# KiCad board washington-metro-pcb.kicad_pcb (continued)
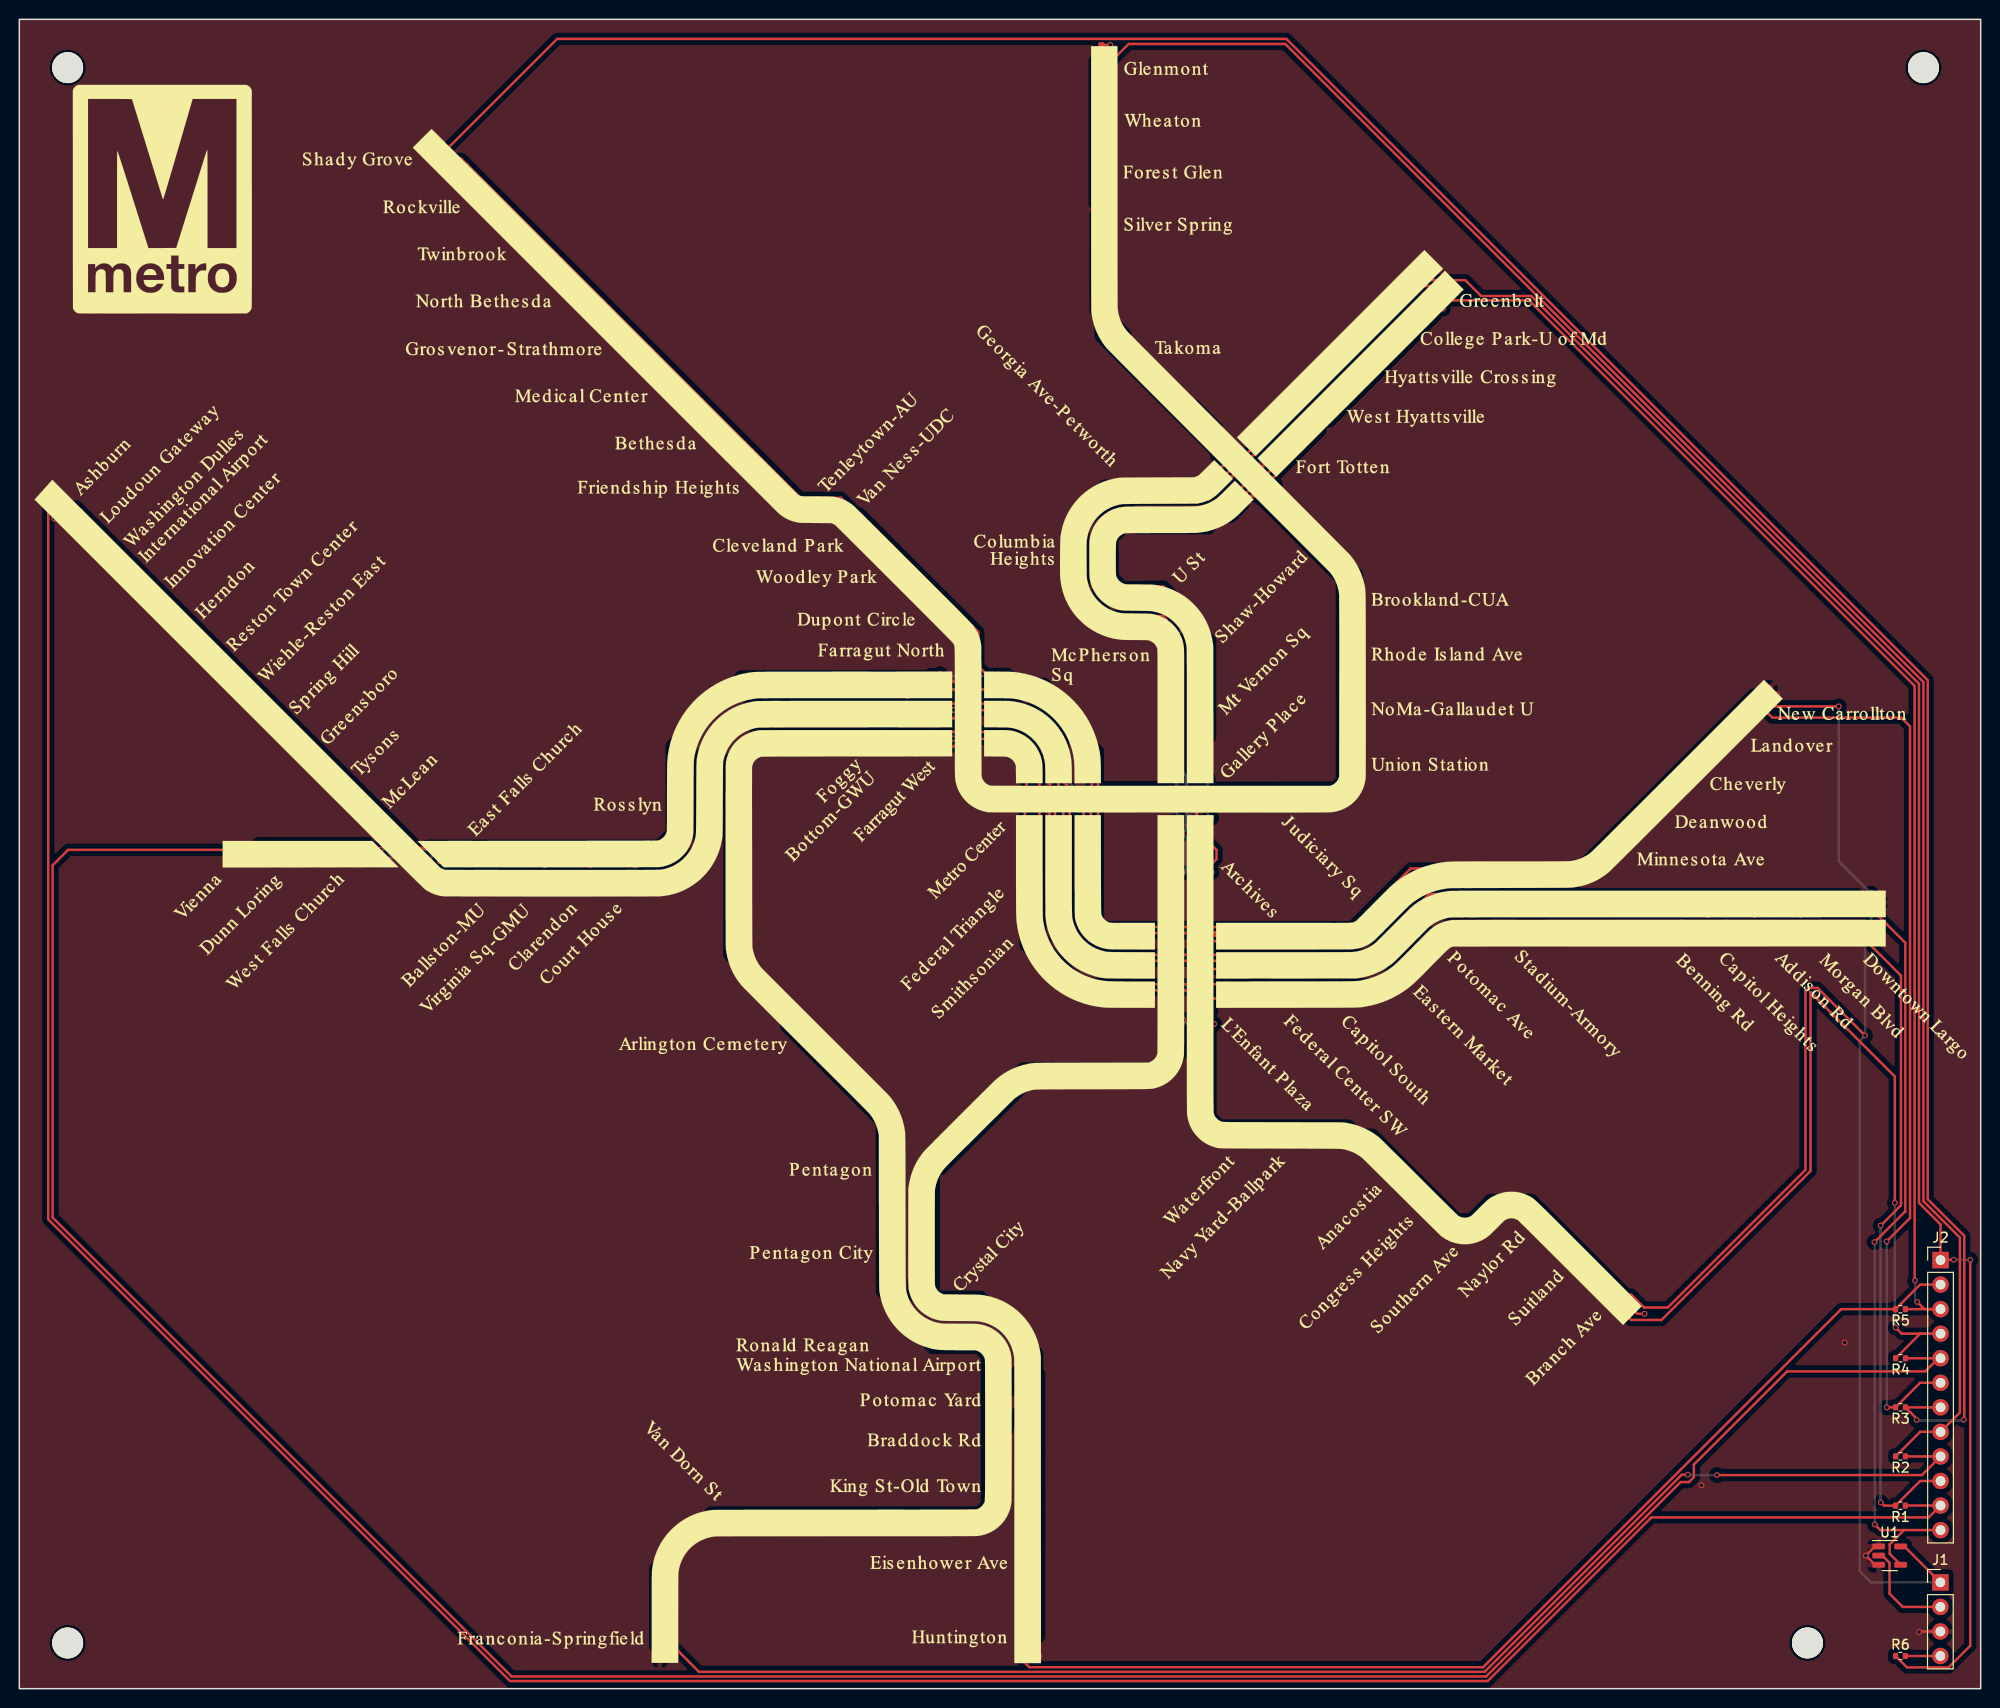
[diagram p0: board, top side]
## Routing (per net, layer and track width the routed paths; a pad name or vN(x,y) marks a point on that pad's centre or on a via; arc(x,y) is an arc through that point)
+5V: length 1746.1
  Top w0.25: LED63.2 111.88,169.05 111.94,169.11 111.25,168.42 111.25,161.95 ; 28.68,99.58 28.41,99.84 LED27.2 27.5,99.84 28.14,99.2 ; 28.68,99.58 32.01,96.24 ; 28.68,99.58 25.39,102.87 ; 176.03,99.48 171.87,95.32 ; 176.03,99.48 179.4,102.86 ; 176.03,99.48 175.74,99.19 LED91.2 175.78,98.24 176.48,98.94 ; 171.87,95.32 168.01,91.46 ; 171.87,95.32 171.82,95.27 LED92.2 171.86,94.34 172.55,95.03 ; LED147.2 119.59,83.82 119.58,83.81 ; 136.24,136.11 133.38,133.26 LED155.2 ; 136.24,136.11 140.43,140.3 ; 136.24,136.11 136.49,136.37 LED156.2 135.79,136.54 135.75,136.54 ; 122.57,104.2 122.61,104.24 LED128.2 123.22,104.63 123.22,98.5 122.55,97.83 122.59,97.88 LED127.2 ; 108.67,80.57 108.67,78.54 111.28,75.92 123.28,75.92 ; 108.67,80.57 LED12.2 107.99,78.88 108,78.87 ; 108.67,80.57 108.67,83.78 ; 100.09,21.72 100.86,20.94 100.74,21.07 100.74,21.91 ; 100.09,21.72 100.09,26.91 ; 100.09,21.72 100.09,19 99.33,18.23 77.94,18.23 ; 181.32,82.22 176.48,82.22 ; 181.32,82.22 180.89,81.79 LED3.2 181.91,81.43 181.91,81.43 ; 181.32,82.22 186.14,82.22 ; 65.58,138.45 70.28,133.75 ; 65.58,138.45 61.14,142.89 ; 65.58,138.45 65.31,138.72 LED85.2 ; 70.28,133.75 75.15,128.88 ; 70.28,133.75 70.19,133.84 LED84.2 ; 24.91,102.4 24.24,103.07 LED28.2 25.18,103.07 25.39,102.87 ; 111.25,161.95 111.25,162.12 111.86,162.75 111.86,163.65 111.93,163.71 ; 111.25,161.95 111.25,156.78 ; 55.95,84.58 55.69,84.32 LED21.2 56.67,83.93 56.69,83.94 ; 55.95,84.58 51.64,84.58 ; 55.95,84.58 61.1,84.58 ; 139.41,80.32 137.9,78.81 136.21,78.81 ; 139.41,80.32 140.99,81.9 140.99,81.91 141.97,82.89 ; 139.41,80.32 139.34,80.24 LED97.2 140.06,79.87 140.06,79.87 ; 12.31,115.95 11.92,116.33 LED32.2 10.96,116.33 11.67,115.62 ; 12.31,115.95 8.78,119.48 ; 12.31,115.95 15.76,112.5 ; 93.71,114.82 96.85,111.69 ; 93.71,114.82 93.64,114.89 LED78.2 ; 93.71,114.82 90.76,117.78 ; 96.85,111.69 96.87,111.69 99.22,109.33 99.22,107.41 ; 96.85,111.69 96.85,110.79 96.22,111.42 LED77.2 ; 153.14,84.85 152.6,84.31 LED95.2 153.26,84.31 C95.1 ; LED131.2 115.76,120.07 123.03,120.07 124.21,121.24 125.37,121.24 126.63,122.51 126.63,123.39 C132.1 ; LED131.2 114.7,120.62 113.09,119.01 113.09,117.59 ; LED131.2 114.38,120.62 114.22,120.77 ; 145.85,142.37 145.86,142.37 LED136.2 ; C148.1 120.23,88.5 v1(120.31,88.5) ; 141.97,82.89 143.06,82.89 142.5,82.33 LED96.2 ; 141.97,82.89 143.95,84.86 153.31,84.86 ; 116.35,110.97 118.31,110.97 118.66,110.62 118.66,110.11 119.78,109 ; 116.35,110.97 112.77,110.97 110.12,113.61 110.12,115.43 110.06,115.49 110.06,117.62 ; 116.35,110.97 117.07,110.25 116.9,110.42 LED151.2 ; 125.5,125.44 123.13,123.08 114.67,123.08 114.66,123.08 ; 125.5,125.44 126.74,126.68 ; 125.5,125.44 124.55,125.44 124.63,125.44 LED154.2 ; 40.95,87.3 37.87,90.39 37.87,90.39 ; 40.95,87.3 43.78,84.48 46.03,84.48 ; 40.95,87.3 41.28,86.98 41.62,86.98 ; 94.61,98.35 94.61,98.34 93.56,98.34 94.2,98.99 ; 100.54,35.4 100.81,35.13 LED57.2 100.09,33.59 ; 100.09,26.91 100.77,26.23 100.88,26.23 100.88,27.13 100.78,27.22 ; 100.09,26.91 100.09,30.98 ; 110.91,83.95 110.91,84.97 111.6,85.66 111.6,85.87 ; 137.59,114.15 137.59,113.24 137.56,113.2 136.83,113.93 136.83,114.05 ; 73.45,92.8 73.45,75.95 79.33,70.07 79.33,68.53 82.01,65.86 ; 73.45,92.8 LED52.2 74.11,93.21 74.1,93.22 ; 73.45,92.8 73.45,96.07 76.38,98.99 89.14,98.99 ; 90.22,118.31 90.76,117.78 ; 90.22,118.31 90.16,118.37 LED79.2 ; 90.22,118.31 87.91,120.62 ; 90.76,117.78 89.9,117.78 89.85,117.72 ; 109.48,116.05 109.52,116.09 LED152.2 110.06,117.62 ; 103.92,101.28 104.51,100.69 ; 103.92,101.28 104.83,101.28 107.96,98.15 107.96,93.91 108.67,93.2 108.67,90.72 ; 103.92,101.28 LED15.2 103.77,101.28 103.12,101.92 94.13,101.92 ; 108.67,83.78 108.67,90.72 ; 108.67,83.78 108.67,84.25 LED13.2 108,84.91 108,83.91 ; 108.67,90.72 108.67,90.94 LED14.2 108.02,91.59 108.02,89.67 ; 111.89,158.34 111.89,158.34 LED65.2 111.83,157.38 111.8,157.4 111.25,156.84 111.25,156.78 ; 137.73,108.51 137.6,108.38 LED70.2 136.83,108.32 136.83,108.67 ; 126.74,126.68 126.98,126.93 v1(127.44,126.93) 127.23,127.14 127.23,127.17 ; 126.74,126.68 127.23,127.17 ; LED133.2 134.63,130.21 128.95,124.52 ; LED133.2 134.63,131.12 133.91,130.4 ; LED133.2 135.56,131.13 138.49,134.06 ; 136.83,102.64 136.83,96.97 ; 136.83,102.64 LED71.2 137.59,102.75 137.71,102.87 ; 136.83,102.64 136.83,108.67 ; 136.83,96.97 136.83,93.95 136.13,93.25 130.53,93.25 130.28,92.99 ; 136.83,96.97 LED72.2 137.57,97.08 137.71,97.22 ; 22.33,105.93 19.17,109.08 ; 22.33,105.93 21.92,106.33 LED29.2 20.9,106.33 21.6,105.63 ; 22.33,105.93 25.39,102.87 ; 19.17,109.08 15.76,112.5 ; 19.17,109.08 18.74,109.51 LED30.2 17.68,109.51 18.37,108.82 ; v1(188.24,101.64) 181.6,101.64 180.39,102.85 C90.1 ; 32.01,96.24 31.66,96.59 LED26.2 30.65,96.59 31.33,95.91 ; 32.01,96.24 35.24,93.01 ; LED108.2 65.03,86.98 65.28,87.23 ; 114.19,123.73 114.28,123.63 LED153.2 114.66,123.08 ; 61.1,84.58 65.41,84.58 ; 61.1,84.58 61.02,84.58 LED20.2 61.35,83.93 61.36,83.92 ; 65.41,84.58 65.73,84.26 ; 65.41,84.58 67.94,84.58 70.37,87.01 70.37,92.55 ; 79.25,124.79 79.25,123.78 78.67,124.35 LED82.2 ; 79.25,124.79 75.87,128.16 ; 79.25,124.79 79.25,124.78 80.81,123.22 82.47,123.22 ; 111.51,78.8 111.05,79.26 LED101.2 ; 111.51,78.8 111.6,78.89 111.6,85.87 ; 111.51,78.8 111.52,78.82 123.29,78.82 123.3,78.81 ; 102.78,98.24 102.03,98.99 94.2,98.99 ; 102.78,98.24 103.77,98.24 105.55,96.47 105.55,90.94 ; 102.78,98.24 103.92,97.1 104,97.1 ; 104.94,83.89 104.94,83.9 LED47.2 105.58,84.29 ; 121.75,130.05 122.72,130.05 LED68.2 ; 121.75,130.05 112.88,138.92 ; 121.75,130.05 121.88,130.05 122.64,130.81 ; 121.75,130.05 123.98,127.82 v1(123.98,127.65) ; 46.37,157.66 50.67,153.36 ; 46.37,157.66 46.36,157.68 45.23,157.68 45.22,157.66 ; 46.37,157.66 45.73,158.3 LED89.2 ; 50.67,153.36 55.61,148.42 ; 50.67,153.36 50.63,153.4 LED88.2 ; 127.38,123.4 126.63,123.4 127.83,124.6 LED132.2 ; 127.38,123.4 127.83,123.4 128.95,124.52 ; 127.38,123.4 128.29,123.4 v1(128.48,123.21) 128.48,123.08 136.83,114.73 136.83,114.05 ; 162.83,44.22 162.45,44.6 LED117.2 161.54,44.6 162.24,43.9 ; 162.83,44.22 158.45,48.6 ; 162.83,44.22 166.29,40.77 ; 129.03,57.57 128.92,57.67 128,57.67 128.6,58.27 ; 119.6,68.04 119.57,68.07 LED146.2 120.25,68.49 ; 151.32,48.78 150.71,48.17 LED119.2 150.33,48.7 ; 50.18,152.73 50.19,152.75 51.29,152.75 ; 143.67,53.66 147.31,50.03 ; 143.67,53.66 LED121.2 142.82,53.6 143.52,52.9 ; 143.67,53.66 140.01,57.32 138.44,57.32 137.49,58.27 134.03,58.27 ; 147.31,50.03 146.92,50.41 LED120.2 146.07,50.3 146.77,49.6 ; 147.31,50.03 148.77,48.56 150.19,48.56 150.33,48.7 ; 120.25,68.49 120.25,65.76 118.21,63.72 105.3,63.72 95.35,53.77 LED145.2 94.61,52.85 ; 120.25,68.49 120.42,68.67 v1(120.42,69.21) ; 105.55,90.94 105.55,88.86 ; 105.55,90.94 LED48.2 ; 105.55,88.86 105.55,84.33 105.58,84.29 ; 105.55,88.86 105.55,89.04 104.92,89.66 104.9,89.66 ; 51.64,84.58 51.53,84.48 46.03,84.48 ; 51.64,84.58 LED22.2 52,83.93 ; 89.38,101.27 LED17.2 89.03,101.92 ; 153.33,84.86 161.41,84.86 163.99,87.44 ; 129.43,72.87 129.41,72.89 123.28,72.89 ; 129.43,72.87 128.78,72.23 129.86,72.23 129.87,72.23 ; 129.43,72.87 135.95,72.87 136.02,72.8 ; LED158.2 143.74,144.51 143.58,144.51 ; LED158.2 144.37,144.25 140.43,140.3 ; LED158.2 147.88,145.14 v1(148.6,144.42) ; 190.91,79.43 190.52,79.04 LED35.2 ; 190.91,79.43 191.56,78.79 ; 190.91,79.43 186.45,79.43 ; 105.52,28.25 105.52,24.39 ; 105.52,28.25 105.52,32.58 ; 105.52,28.25 105.52,28.41 LED141.2 104.87,29.06 104.87,28.2 ; 105.52,24.39 105.52,19.04 ; 105.52,24.39 105.52,24.57 104.78,25.31 104.79,25.3 104.79,24.29 ; 74.71,128.22 74.72,128.24 75.8,128.24 75.87,128.16 ; LED155.2 132.4,133.26 131.72,132.58 ; LED155.2 132.51,132.46 127.23,127.17 ; 37.87,90.39 37.59,90.11 LED24.2 ; 37.87,90.39 35.24,93.01 ; 37.87,90.39 37.87,89.44 ; 168.01,91.46 163.99,87.44 ; 168.01,91.46 167.89,91.34 LED93.2 167.89,90.43 168.62,91.16 ; 105.58,80.49 105.62,80.45 105.62,77.13 109.86,72.89 123.28,72.89 ; 105.58,80.49 LED46.2 104.97,78.83 104.98,78.81 ; 105.58,80.49 105.58,84.29 ; 75.87,128.16 75.15,128.88 ; 158.22,47.87 157.49,48.6 LED118.2 158.45,48.6 ; 94.61,45.71 94.61,40.62 94.42,40.43 ; 94.61,45.71 94.61,45.04 94.37,44.79 93.84,44.79 93.79,44.74 93.79,43.65 ; 94.61,45.71 94.61,52.85 ; 87.34,121.2 86.9,121.63 86.61,121.63 85.02,123.22 82.47,123.22 ; 87.34,121.2 87.91,120.62 ; 87.34,121.2 87.25,121.28 LED80.2 ; 100.09,33.59 100.09,30.98 ; 100.09,33.59 100.09,34.44 99.28,35.26 97.92,35.26 ; 100.09,30.98 100.09,30.88 LED58.2 100.88,31.14 100.9,31.16 ; 89.25,54.8 89.87,55.42 89.86,55.42 89.86,54.33 ; 89.25,54.8 89.25,46.25 ; 89.25,54.8 89.22,54.82 89.22,58.64 82.01,65.86 ; 120.15,105.83 LED150.2 119.59,104.36 119.52,104.28 ; 120.15,105.83 120.15,108.63 119.78,109 ; 120.15,105.83 120.16,105.81 120.16,98.42 ; 134.28,57.63 134.18,57.72 LED122.2 133.8,58.27 134.03,58.27 ; 104.71,32.41 104.71,33.39 LED142.2 105.52,32.58 ; C147.1 120.18,84.41 v1(120.34,84.41) ; 94.25,114.29 93.36,114.29 93.35,114.27 ; 67.48,92.33 67.48,97.55 74.69,104.75 87.82,104.75 ; 67.48,92.33 67.48,92.51 68.14,93.16 68.03,93.06 LED107.2 ; 67.48,92.33 67.48,88.52 66.19,87.23 65.28,87.23 ; 55.13,147.89 55.14,147.91 56.13,147.91 56.26,147.78 ; 129.94,78.03 129.8,78.16 128.88,78.16 129.53,78.81 ; 153.16,82.22 145.88,82.22 143.9,80.24 143.9,80.17 ; 153.16,82.22 171.81,82.22 ; 153.16,82.22 153.01,82.22 LED6.2 153.34,81.59 153.37,81.56 ; 123.25,85.48 123.5,85.48 123.87,85.85 123.87,86.77 122.69,87.95 C126.1 ; 123.25,85.48 123.25,84.56 v1(123.34,84.48) ; 123.25,85.48 122.59,84.82 C125.1 ; U1.5 195.03,14.72 J1.1 ; 136.83,114.05 136.83,108.67 ; 60.5,143.54 60.41,143.62 LED86.2 ; 60.5,143.54 56.26,147.78 ; 60.5,143.54 61.14,142.89 ; 179.4,102.86 179.66,102.6 LED90.2 ; 179.4,102.86 180.39,102.86 ; 123.3,78.81 129.53,78.81 ; 123.3,78.81 LED100.2 123.75,78.19 123.84,78.09 ; 136.02,72.8 136.1,72.89 140.75,72.89 143.21,75.35 143.27,75.35 ; 136.02,72.8 LED43.2 136.54,72.16 136.54,72.16 ; 35.24,93.01 34.9,93.35 LED25.2 33.95,93.35 34.6,92.7 ; 136.02,75.92 138.1,75.92 138.11,75.92 139.59,75.92 141.16,77.49 141.22,77.49 ; 136.02,75.92 135.39,75.29 LED9.2 136.41,75.27 ; 136.02,75.92 129.41,75.92 ; 158.45,48.6 156.48,50.57 152.2,50.57 150.33,48.7 ; 94.42,40.43 94.54,40.54 99.45,40.54 105.32,34.67 105.32,32.78 105.52,32.58 ; 94.42,40.43 94.93,39.92 LED143.2 ; LED18.2 71.02,93.2 71.04,93.22 70.37,92.55 ; 55.61,148.42 55.51,148.52 LED87.2 ; 55.61,148.42 56.26,147.78 ; 119.61,87.88 119.56,87.93 LED148.2 ; 78.03,17.59 77.05,17.59 LED61.2 77.69,18.23 77.94,18.23 ; 112.88,138.92 111.88,139.92 111.88,142.09 111.33,142.63 111.33,152.49 111.88,153.04 111.25,153.67 ; 112.88,138.92 112.98,138.82 LED67.2 113.33,139.32 113.33,139.67 ; 123.09,93.08 123.24,93.23 130.04,93.23 130.28,92.99 ; 123.09,93.08 122.88,93.29 114.44,93.29 114.4,93.24 ; 123.09,93.08 LED74.2 123.46,92.55 123.58,92.43 ; 111.25,153.67 111.25,156.78 ; 111.25,153.67 111.92,153 111.94,153 111.89,152.94 LED66.2 ; 75.15,128.88 75.09,128.94 LED83.2 ; 176.48,82.22 171.81,82.22 ; 176.48,82.22 176.07,81.81 LED4.2 177.12,81.43 ; 143.27,75.35 143.27,75.4 146.05,78.18 146.99,78.18 LED41.2 147.25,78.45 ; 143.27,75.35 LED42.2 143.46,74.63 144.14,75.31 ; 121.63,109.99 123.22,108.4 123.22,104.22 ; 121.63,109.99 119.24,112.38 119.24,113.18 118.38,114.03 116.52,114.03 116.47,113.98 ; 121.63,109.99 121.61,110.01 v1(121.61,110.76) ; 129.53,78.81 136.21,78.81 ; 181.9,78.79 LED37.2 180.97,78.79 181.61,79.43 ; 138.49,134.06 142.48,138.05 ; 138.49,134.06 138.61,134.18 LED134.2 137.92,134.43 137.92,134.4 ; 61.38,87.23 56.35,87.23 ; 61.38,87.23 65.28,87.23 ; 61.38,87.23 61.06,87.23 LED109.2 61.31,86.57 61.44,86.45 ; 56.35,87.23 51.99,87.23 ; 56.35,87.23 56.32,87.23 LED110.2 56.59,86.57 56.7,86.46 ; 8.78,119.48 5.93,122.32 LED34.2 4.88,122.32 5.57,121.63 ; 8.78,119.48 8.77,119.47 LED33.2 7.85,119.47 8.51,118.81 ; 46.03,84.48 45.05,83.5 45.91,83.5 46.01,83.41 ; 123.28,72.89 LED45.2 ; 113.09,117.59 113.12,117.55 113.12,115.03 114.18,113.98 116.47,113.98 ; 113.09,117.59 112.83,117.33 112.54,117.33 LED130.2 112.54,116.06 112.48,116 ; 123.24,68.39 LED124.2 122.42,69.09 122.42,68 ; 123.24,68.39 123.24,59.22 124.19,58.27 128.6,58.27 ; 123.24,68.39 123.61,68.76 v1(123.61,68.78) ; 171.81,82.22 171.28,81.69 LED5.2 172.34,81.45 ; 123.28,75.92 122.66,75.3 124.35,75.3 124.43,75.23 ; 123.28,75.92 129.41,75.92 ; 129.41,75.92 LED10.2 129.81,75.28 ; 97.92,35.26 94.47,35.26 90.59,39.14 90.59,39.79 89.25,41.13 89.25,46.25 ; 97.92,35.26 97.17,36.01 97.17,36.03 96.19,36.03 LED56.2 ; 51.99,87.23 51.71,87.23 LED111.2 51.97,86.58 52.11,86.45 ; 51.99,87.23 45.94,87.23 ; 114.66,123.08 112.72,123.08 110.06,120.42 110.06,117.62 ; 94.13,101.92 89.03,101.92 ; 94.13,101.92 93.53,101.32 LED16.2 94.53,101.27 94.55,101.28 ; 89.03,101.92 75.81,101.92 70.37,96.49 70.37,92.55 ; 148.31,78.62 147.43,78.62 147.25,78.45 ; 86.85,120.58 86.89,120.62 87.91,120.62 ; LED19.2 65.37,84.26 65.73,84.26 ; 89.25,46.25 89.86,45.63 89.86,46.81 89.89,46.83 ; 31.37,86.67 31.24,86.79 LED114.2 30.39,86.96 30.92,87.49 ; 89.14,98.99 88.38,98.22 89.42,98.22 89.42,98.23 ; 89.14,98.99 94.2,98.99 ; 172.12,79.43 171.91,79.43 LED39.2 172.26,78.79 ; 172.12,79.43 176.68,79.43 ; 172.12,79.43 153.05,79.43 ; 95.29,54.62 94.61,53.94 94.61,52.85 ; 142.48,138.05 142.59,138.16 LED135.2 142.5,139.08 141.85,138.43 ; 142.48,138.05 146.54,142.11 LED136.2 ; 30.92,87.49 24.76,87.49 LED115.2 24.95,86.79 25.06,86.68 ; 30.92,87.49 36.02,87.49 36.73,86.78 37.35,86.78 v1(37.38,86.81) ; LED76.2 99.22,107.28 99.22,107.41 ; 163.99,87.44 LED94.2 164.01,86.48 164.73,87.2 ; v1(191.67,77.92) 191.67,78.68 C35.1 ; LED149.2 119.59,97.85 119.59,97.84 120.16,98.42 ; 41.62,86.98 40.29,86.98 40.24,86.93 ; 41.62,86.98 v1(42.14,86.98) 42.39,87.23 45.94,87.23 ; 60.04,143 60.05,143.02 61.02,143.02 61.14,142.89 ; 65.73,84.26 66.06,83.94 ; 45.94,87.23 45.68,87.23 LED112.2 45.03,86.58 46,86.58 ; LED116.2 165.6,40.59 166.29,39.9 166.29,40.77 ; 143.9,80.17 LED7.2 145.3,80.17 145.76,80.63 ; 143.9,80.17 143.83,80.17 141.22,77.56 141.22,77.49 ; 69.82,133.3 69.83,133.32 70.72,133.32 ; 82.01,65.86 LED53.2 82.01,66.92 81.37,67.56 ; 105.52,11.75 105.52,11.94 LED138.2 104.72,11.72 104.78,11.66 ; 105.52,11.75 105.52,19.04 ; 105.52,11.75 105.52,5.43 104.96,4.87 LED137.2 104.74,3.93 104.75,3.91 ; 105.52,19.04 105.52,19.31 104.77,20.06 104.8,20.03 104.8,18.99 ; 141.95,77.3 141.28,76.63 LED8.2 141.14,77.41 141.22,77.49 ; 139.73,140.52 139.78,140.52 LED157.2 140.48,140.36 140.43,140.3 ; 176.68,79.43 181.61,79.43 ; 176.68,79.43 176.08,78.83 LED38.2 177.09,78.79 ; 110.86,89.59 110.86,91.59 LED103.2 111.6,91.06 ; 153.05,79.43 148.24,79.43 147.25,78.45 ; 153.05,79.43 153,79.43 LED40.2 153.38,78.84 153.44,78.79 ; 130.28,92.99 130.12,92.99 LED73.2 130.46,92.41 130.53,92.34 ; LED125.2 122.59,83.77 122.59,83.76 ; 94.07,104.78 94.25,104.97 v1(95.23,104.97) ; 94.07,104.78 94.66,104.2 94.62,104.23 LED105.2 ; 94.07,104.78 87.85,104.78 87.82,104.75 ; 15.76,112.5 15.54,112.71 LED31.2 14.51,112.71 15.21,112.01 ; v1(190.96,67.59) 186.04,72.51 185.13,72.51 184.8,72.17 184.8,53.68 170.55,39.44 168.1,39.44 166.77,40.77 166.29,40.77 ; LED126.2 122.68,88.93 122.68,87.95 ; 99.22,106.21 98.74,105.73 ; 99.22,106.21 99.22,107.41 ; 99.22,106.21 99.22,105.79 v1(100.22,104.79) 100.44,105 102.22,105 102.77,104.45 103.67,104.45 104.17,103.96 104.18,103.98 106,103.98 106.52,103.46 106.52,102.08 111.6,97 111.6,93.39 ; 186.45,79.43 186.34,79.43 LED36.2 186.72,78.79 ; 186.45,79.43 181.61,79.43 ; 124.38,72.25 124.38,72.27 125,72.89 ; 128.6,58.27 134.03,58.27 ; v1(120.17,95.04) 120.25,95.11 120.25,98.34 120.16,98.42 ; 64.99,138.05 65.99,138.05 ; 65.28,87.23 66.06,86.44 ; v1(119.44,108.67) 119.45,108.67 119.78,109 ; 186.14,82.22 185.67,81.75 LED2.2 186.66,81.46 ; 186.14,82.22 190.12,82.22 190.44,81.9 LED1.2 191.55,81.38 ; 114.4,93.24 LED75.2 114.54,92.56 114.69,92.41 ; 114.4,93.24 114.35,93.28 111.7,93.28 111.6,93.39 ; 116.04,113.43 117.02,113.43 117.06,113.39 116.47,113.98 ; 77.94,18.23 71.61,18.23 65.78,12.41 65.78,4.38 66.26,3.91 66.26,4.8 LED62.2 ; v1(129.89,124.6) 129.02,124.6 128.95,124.52 ; 111.6,93.39 111.6,91.06 ; 111.6,91.06 111.6,85.87 ; 136.21,78.81 136.07,78.81 LED98.2 136.31,78.11 136.36,78.16 ; v1(147.29,142.8) 146.79,142.8 LED136.2 ; 87.82,104.75 87.92,104.75 LED106.2 88.6,104.08 89.53,104.08 ; 82.69,122.54 81.74,122.54 LED81.2 82.42,123.22 82.47,123.22 ; C1.1 v1(191.58,82.27)
  Bottom w0.25: v1(123.98,127.65) 124.04,127.65 v1(128.48,123.21) ; v1(37.38,86.81) 41.97,86.81 v1(42.14,86.98) ; v1(121.61,110.76) 121.53,110.76 v1(119.44,108.67) ; v1(100.22,104.79) 95.41,104.79 v1(95.23,104.97) ; v1(120.42,69.21) 120.85,68.78 v1(123.61,68.78) ; v1(147.29,142.8) 148.6,144.11 v1(148.6,144.42) ; v1(123.34,84.48) 120.41,84.48 v1(120.34,84.41) 120.77,84.84 120.77,88.04 v1(120.31,88.5) 120.75,88.94 120.75,94.45 v1(120.17,95.04) ; v1(188.24,101.64) 188.24,85.61 v1(191.58,82.27) 191.58,78.01 v1(191.67,77.92) 190.96,77.21 v1(190.96,67.59) 190.41,67.04 190.41,12.14 191.55,11 J1.1 ; v1(129.89,124.6) 127.56,126.93 v1(127.44,126.93)
GND: length 348.3
  Top w0.25: v1(155.44,48.86) 155.7,48.6 LED118.3 ; LED108.3 64.17,85.7 v1(63.69,85.22) ; v1(104.17,27.69) 104.62,27.23 104.87,27.23 ; 110.86,88.62 110.86,87.58 v1(110.85,87.57) ; 62.41,86.45 63.17,86.45 v1(63.32,86.61) ; 154.41,78.79 155.56,78.79 v1(155.61,78.74) ; v1(34.9,85.93) 34.91,85.93 LED113.3 ; v1(39.3,88.02) 38.56,88.76 38.55,88.76 ; 141.17,137.75 141.17,137.74 v1(140.48,137.05) ; v1(145.93,144.42) 146.1,144.25 LED136.3 ; v1(91.81,99.8) 92.06,99.8 LED16.3 ; 57.66,83.94 58.44,83.94 v1(58.47,83.91) ; LED5.3 v1(169.69,80.6) ; 106.59,91.9 106.59,93.84 v1(106.82,94.07) ; 106.59,91.9 LED14.3 ; 106.59,91.9 106.59,85.22 ; U1.3 191.98,12.82 v1(191.03,13.77) 191.98,14.72 U1.1 ; v1(114.08,112.71) 114.21,112.58 LED129.3 ; 115.22,109.57 114.21,109.57 v1(114.1,109.68) ; v1(52.39,149.16) 53.03,148.52 LED87.3 ; LED60.3 101.72,19.17 v1(101.69,19.15) ; 122.68,86.98 122.68,86.67 v1(123.24,86.11) ; v1(25.16,100) 25.32,99.84 LED27.3 ; 154.34,81.56 155.37,81.56 v1(155.4,81.59) ; v1(108.83,118.78) 108.67,118.61 LED152.3 ; 104.94,82.92 104.94,81.96 v1(104.88,81.9) ; v1(136.51,139.34) 136.49,139.32 LED156.3 ; v1(98.26,109.41) 97.56,110.11 97.53,110.11 ; LED50.3 92.7,96.78 v1(92.73,96.76) ; 104.11,80.72 104.1,80.72 v1(103.56,81.27) ; 95.58,98.35 96.59,98.35 v1(96.63,98.31) ; 138.42,94.26 LED72.3 138.42,94.46 v1(138.39,94.43) ; v1(29.46,97.9) 28.85,98.52 28.82,98.52 ; v1(32.75,94.62) 32.14,95.23 32.01,95.23 ; v1(138.62,137.15) 138.61,137.14 LED134.3 ; 106.59,85.22 LED13.3 ; 106.59,85.22 106.59,80.2 LED12.3 ; v1(47.4,154.14) 48.14,153.4 LED88.3 ; 115.66,92.41 116.59,92.41 v1(116.64,92.36) ; v1(142.47,72.95) 142.95,73.43 LED42.3 ; 112.48,115.03 112.48,114.53 v1(112.93,114.08) ; LED33.3 5.67,119.47 v1(5.62,119.52) ; v1(144.81,51.64) 144.23,52.22 144.2,52.22 ; v1(133.54,74.42) LED9.3 ; 89.87,56.39 89.87,57.36 v1(89.92,57.41) ; 149.28,78.62 150.37,78.62 v1(150.38,78.61) ; LED109.3 59.56,85.69 v1(59.07,85.21) ; v1(41.67,85.33) 40.93,86.07 40.93,86.25 ; LED146.3 118.5,70.02 v1(118.08,69.6) ; v1(134.57,133.21) 134.63,133.15 LED133.3 ; v1(12.27,112.88) 12.45,112.71 LED31.3 ; v1(67.05,3.46) 66.53,2.94 66.26,2.94 ; v1(131.68,75.21) 131.61,75.28 130.78,75.28 ; v1(118.89,107.03) 118.75,106.88 LED150.3 118.75,107.07 ; 68.14,94.13 68.14,95.18 v1(68.15,95.19) ; v1(83.99,66.05) 83.21,66.83 LED53.3 ; v1(76.58,124.96) 77.19,124.35 LED82.3 ; v1(174.22,81.4) 174.17,81.45 173.31,81.45 ; LED96.3 142.19,80.16 v1(142.22,80.13) ; v1(179.63,100.1) 179.66,100.13 LED90.3 ; LED85.3 62.8,138.72 v1(62.09,139.43) ; J1.3 196.6,5.92 v1(196.54,5.86) ; LED130.3 111.69,118.6 v1(111.84,118.75) ; 90.39,98.23 v1(91.39,98.23) ; v1(109.42,92.95) 109.83,92.54 LED103.3 ; 46.98,83.41 47.83,83.41 v1(47.84,83.42) ; v1(63.33,82.46) 63.57,82.46 LED19.3 ; LED98.3 133.63,77.26 v1(133.56,77.34) ; v1(103.27,26.79) 103.89,26.16 LED140.3 ; v1(136.46,133) 137.18,133.72 137.24,133.72 ; v1(119.6,81.78) 119.58,81.8 119.58,82.84 ; LED34.3 3.66,121.11 v1(3.62,121.07) ; 119.59,96.87 119.59,95.83 v1(119.62,95.8) ; LED41.3 146.99,76.27 v1(146.79,76.06) ; LED39.3 169.7,77.94 v1(169.69,77.93) ; LED43.3 133.63,71.31 v1(133.63,71.31) ; 74.1,94.19 74.1,94.81 v1(74.34,95.04) ; 173.23,95.71 173.25,95.71 v1(173.94,96.4) ; 133.23,129.72 133.19,129.72 v1(132.39,128.92) ; v1(16.63,110.74) 16.04,111.33 15.89,111.33 ; LED86.3 57.89,143.62 v1(57.18,144.34) ; v1(100.93,100.55) 101.05,100.43 LED15.3 ; 131.04,131.9 131.04,131.88 v1(130.26,131.1) ; LED115.3 22.28,85.94 v1(22.21,86.02) ; 124.55,92.43 125.44,92.43 v1(125.49,92.38) ; 112.19,78.12 113.32,78.12 v1(113.33,78.11) ; 57.67,86.46 58.56,86.46 v1(58.57,86.46) ; v1(102.32,24.71) 101.72,25.3 LED59.3 ; LED80.3 84.03,121.28 v1(83.97,121.22) ; v1(125.88,78.08) 125.87,78.09 124.81,78.09 ; v1(112.97,166.49) 112.72,166.73 LED63.3 ; 151.56,77.99 151.5,77.99 v1(150.87,77.36) ; 95.52,101.28 96.66,101.28 v1(96.67,101.27) ; v1(152.69,49.95) 152.21,49.46 152,49.46 ; v1(138.48,111.58) 138.41,111.65 LED69.3 ; v1(131.97,78.01) 131.95,78.03 130.91,78.03 ; 105.19,100.01 105.22,100.01 v1(106.09,99.14) ; v1(174.08,78.64) 173.93,78.79 173.24,78.79 ; v1(119.47,66.02) 119.6,66.15 119.6,67.07 ; LED153.3 117.01,124.48 v1(117.02,124.47) ; 128.03,77.31 127.12,77.31 v1(127.07,77.36) ; LED116.3 164.22,40.59 v1(163.59,41.22) ; 65.66,137.35 65.66,137.28 v1(66.41,136.53) ; v1(86.66,103.57) 86.88,103.35 LED106.3 ; v1(138.43,100.27) 138.44,100.27 LED71.3 ; v1(137.7,99.24) 137.71,99.23 137.71,98.19 ; 100.78,28.19 100.91,28.19 v1(101.58,27.52) ; v1(141.12,54.47) 141.62,53.98 LED121.3 ; 79.93,123.1 79.93,122.64 v1(79.9,122.6) ; v1(8.76,116.41) 8.83,116.33 LED32.3 ; LED144.3 93.01,46.48 v1(93.22,46.69) ; 70.5,132.62 v1(71.25,131.87) ; v1(112.31,91.15) 112.87,91.71 LED75.3 ; v1(177.82,100.25) 177.19,99.62 177.16,99.62 ; v1(132.66,135.36) 132.51,135.21 LED155.3 ; LED81.3 79.97,121.53 v1(79.8,121.36) ; LED132.3 127.97,125.82 v1(129.06,126.91) ; LED142.3 103.81,34.59 v1(103.3,35.11) ; 109.48,115.08 109.48,114.02 v1(109.41,113.95) ; LED76.3 97.79,107.58 v1(97.08,108.28) ; v1(126.48,75.29) 126.42,75.23 125.4,75.23 ; LED51.3 86.75,97.37 v1(86.75,97.37) ; 99.86,36.08 99.8,36.03 98.14,36.03 98.76,36.03 v1(98.98,36.25) ; 12.35,114.94 12.43,114.94 v1(13.12,114.25) ; LED4.3 175.22,80.57 v1(174.73,80.07) ; v1(33.39,86.65) 33.37,86.67 32.34,86.67 ; v1(119.54,102.17) 119.52,102.19 119.52,103.31 ; v1(149,46.93) 149.04,46.97 LED119.3 ; v1(61.5,141.52) 60.72,142.3 60.72,142.32 ; v1(127.04,71.18) 127.24,71.38 LED44.3 ; v1(112.25,123.55) 112.43,123.73 113.22,123.73 ; v1(168.14,38.79) 167.4,38.79 C116.2 ; LED125.3 121.26,86.16 121.26,89.25 LED126.3 121.81,90.6 v1(121.38,91.03) 121.71,91.36 LED74.3 ; 118.75,99.72 118.75,100.55 v1(118.82,100.63) ; 93.74,41.11 93.79,41.17 93.79,42.68 93.79,42.57 v1(93.12,41.9) ; v1(91.16,116.39) 90.53,117.02 90.53,117.04 ; 45.9,156.98 45.96,156.98 v1(46.7,156.24) ; 94.03,113.59 94.03,113.58 v1(94.69,112.92) ; 104.68,96.42 104.68,95.56 v1(104.92,95.32) ; v1(49.45,82.37) 50.13,83.05 LED22.3 ; v1(102.37,28.64) 101.76,29.24 LED58.3 ; v1(189.1,77.36) 189.67,77.93 LED35.3 ; v1(86.89,118.49) 87.01,118.37 LED79.3 ; LED54.3 90.72,52.58 v1(90.69,52.56) ; C1.2 192.54,82.03 v1(192.76,82.25) ; 145.17,141.69 145.06,141.69 v1(144.3,140.93) ; v1(181.83,102.87) 181.16,103.54 C90.2 ; 104.8,18.02 104.8,17.07 v1(104.85,17.02) ; v1(112.91,161.11) 112.72,161.3 LED64.3 ; LED6.3 150.68,80.74 v1(150.66,80.76) ; LED110.3 54.81,85.71 v1(54.32,85.22) ; v1(120.14,86.24) 119.61,86.77 119.61,86.91 ; v1(145.69,76.78) 144.9,75.99 144.82,75.99 ; 89.89,47.8 89.89,48.97 v1(89.92,49) ; 71.04,94.19 71.04,95.3 v1(71.09,95.35) ; v1(132.62,92.37) 132.59,92.34 131.5,92.34 ; v1(100.91,23.9) 100.74,23.73 100.74,22.88 ; 35.28,92.02 35.35,92.02 v1(35.97,91.4) ; v1(110.78,81.99) 110.91,82.12 110.91,82.98 ; v1(97.35,39.3) 97.12,39.07 LED143.3 ; 178.06,78.79 178.87,78.79 v1(179,78.66) ; v1(71.91,129.62) 72.58,128.94 LED83.3 ; v1(22.96,104.4) 22.42,104.95 22.28,104.95 ; v1(125.08,121.87) 125.93,122.72 125.95,122.72 ; 108,77.9 108.18,77.9 v1(108.93,77.15) ; v1(183.77,78.6) 183.58,78.79 182.87,78.79 ; 139.05,139.84 138.93,139.84 v1(138.21,139.12) ; v1(68.71,90.28) 68.89,90.45 LED107.3 ; v1(171.24,92.38) 171.82,92.96 LED92.3 ; 111.89,159.31 v1(111.89,160.32) ; v1(127.11,74.15) 127.39,74.43 LED10.3 ; v1(98.8,104.01) 98.74,104.07 98.74,104.76 ; v1(103.8,31.89) 104.26,31.44 104.71,31.44 ; v1(130.97,57.6) 130.94,57.57 130,57.57 ; LED141.3 103.87,30.02 v1(103.27,30.63) ; 100.9,32.13 101.24,32.13 v1(101.8,31.58) ; 9.19,118.13 9.24,118.13 v1(9.79,117.58) ; v1(53.82,83.94) 53.81,83.93 52.97,83.93 ; v1(103.31,21.66) 103.92,21.05 LED139.3 ; LED148.3 118.16,89.2 118.16,86.28 LED147.3 ; 104.85,103.28 105.81,103.28 v1(105.89,103.2) ; v1(137.74,110.53) 137.73,110.52 137.73,109.48 ; 62.33,83.92 63.15,83.92 v1(63.18,83.95) ; 162.92,43.22 162.93,43.22 v1(163.57,42.58) ; LED48.3 104.03,92.63 v1(103.55,93.12) ; 67.03,86.44 67.03,87.09 v1(67.35,87.41) ; LED84.3 67.66,133.84 v1(67.01,134.49) ; LED70.3 138.45,105.91 v1(138.44,105.9) ; LED68.3 125.85,128.12 LED154.3 ; v1(122.57,81.82) 122.59,81.84 122.59,82.79 ; v1(34.92,90.21) 35.02,90.11 LED24.3 ; v1(188.58,78.65) 188.44,78.79 187.69,78.79 ; v1(183.89,81.42) 183.88,81.43 182.88,81.43 ; v1(103.5,86.37) 104.08,85.79 104.08,85.79 ; 123.87,124.76 123.69,124.76 v1(122.95,124.02) ; LED62.3 67.19,6.69 v1(67.17,6.71) ; 113.25,120.77 113.25,120.06 v1(113.16,119.97) ; LED77.3 93.92,111.42 v1(93.87,111.48) ; 137.59,115.12 137.59,115.15 v1(136.77,115.97) ; v1(21.89,103.21) 22.03,103.07 LED28.3 ; 143.74,83.57 143.8,83.57 v1(144.42,84.19) ; LED89.3 42.43,158.3 v1(42.41,158.32) ; 146.44,81.31 146.62,81.31 v1(146.9,81.6) ; v1(138.32,75.3) 138.29,75.27 137.38,75.27 ; v1(74.97,90.53) 74.96,90.54 LED52.3 ; LED38.3 175.21,77.94 v1(174.65,77.38) ; 142.63,77.98 142.63,78.02 v1(143.19,78.57) ; LED17.3 86.76,100.42 v1(86.75,100.41) ; v1(179.44,77.38) 180,77.94 LED37.3 ; LED20.3 59.39,83.08 v1(58.77,82.47) ; v1(96.74,56.11) 95.97,55.34 95.97,55.3 ; v1(91.58,104.11) 91.55,104.08 90.5,104.08 ; v1(166.09,88.55) 165.42,87.88 165.41,87.88 ; 111.94,153.96 111.94,154.96 v1(111.95,154.97) ; 50.22,85.73 49.5,85.73 v1(49.47,85.7) ; 158.9,47.19 158.9,47.12 v1(159.54,46.48) ; v1(75.12,16.74) 75.12,16.74 LED61.3 ; v1(112.97,155.74) 112.73,155.98 112.73,156.52 ; 90.72,44.78 90.72,43.89 v1(90.71,43.89) ; LED158.3 144.37,146.39 v1(144.84,146.86) ; 121.96,131.49 121.94,131.49 v1(121.23,132.2) ; v1(107.86,81.87) 108,82.01 108,82.94 ; 95.62,104.2 97.14,104.2 v1(97.17,104.17) ; v1(90.43,114.95) 90.48,114.89 LED78.3 ; v1(15.39,109.71) 15.59,109.51 LED30.3 ; v1(47.86,86.55) 47.83,86.58 46.97,86.58 ; 112.65,140.35 112.65,141.07 v1(112.5,141.21) ; v1(115.82,138.03) 115.03,138.82 LED67.3 ; 118.03,113.39 118.03,113.06 v1(118.61,112.49) ; 187.63,81.46 188.51,81.46 v1(188.64,81.59) ; v1(105.53,3.37) 105.11,2.94 104.75,2.94 ; v1(105.07,76.85) 104.98,76.94 C46.2 ; v1(126.24,57.04) 126.46,56.82 LED123.3 ; 109.58,86.31 109.49,86.4 v1(109.49,86.86) ; 109.58,86.31 109.52,86.25 109.52,80.3 109.65,80.17 LED101.3 ; 109.58,86.31 LED102.3 ; LED157.3 140.48,143.18 v1(140.47,143.19) ; v1(111.94,165.7) 111.93,165.69 111.93,164.69 ; v1(93.23,52.63) 93.23,53.59 LED145.3 ; LED91.3 175.74,96.25 v1(175.72,96.23) ; 25.59,101.72 25.65,101.72 v1(26.23,101.14) ; LED56.3 94.39,36.88 v1(94.39,36.88) ; 104.9,88.69 v1(104.9,87.66) ; v1(67.96,83.96) 67.94,83.94 67.03,83.94 ; 79,17.59 v1(80.13,17.59) ; v1(104.74,9.64) 104.78,9.68 104.78,10.69 ; LED7.3 144.68,78.09 v1(144.58,78) ; v1(18.63,106.43) 18.73,106.33 LED29.3 ; v1(122.7,95.91) 122.55,96.06 122.55,96.86 ; v1(155.39,84.17) 155.36,84.2 154.34,84.2 ; v1(76.17,126.78) 75.41,127.54 75.39,127.54 ; C35.2 192.52,77.94 v1(192.69,77.77) ; v1(179.05,81.51) 178.97,81.43 178.09,81.43 ; LED131.3 116.89,121.47 v1(116.92,121.44) ; v1(167.34,88.7) 167.85,89.21 LED93.3 ; v1(43.26,82.88) 43.49,82.65 44.2,82.65 ; v1(126.36,72.27) 126.34,72.25 125.34,72.25 ; LED25.3 31.79,93.35 v1(31.69,93.44) ; LED127.3 121.75,100.55 v1(121.76,100.57) ; v1(128,91.04) 128.52,91.56 LED73.3 ; v1(91.33,101.22) 91.28,101.27 90.34,101.27 ; 142.9,143.83 142.85,143.83 v1(142.17,143.15) ; 87.53,119.9 87.75,119.9 v1(88.05,119.6) ; v1(142.59,141.08) 142.59,141.08 LED135.3 ; LED114.3 28.64,85.94 v1(28.56,86.02) ; LED104.3 101.92,103.6 v1(101.17,102.85) ; 140.74,80.55 140.74,80.77 v1(140.97,81) ; LED21.3 54.7,83.08 v1(54.08,82.46) ; v1(150.64,83.56) 150.74,83.46 LED95.3 ; LED97.3 139.34,77.67 v1(138.81,77.14) ; v1(144.12,50.39) 144.14,50.41 LED120.3 ; v1(138.03,78.14) 138.01,78.16 137.33,78.16 ; v1(179.54,80.06) 180.04,80.56 LED3.3 ; 137.51,72.16 138.61,72.16 v1(138.66,72.11) ; 121.84,77.34 121.12,77.34 v1(121.09,77.31) ; v1(84.62,122.52) 84.6,122.54 83.67,122.54 ; v1(28.42,96.72) 28.55,96.59 LED26.3 ; 118.04,110.25 118.04,109.85 v1(118.61,109.29) ; 26.03,86.68 26.81,86.68 v1(26.89,86.76) ; 6.25,120.95 6.42,120.95 v1(6.67,120.7) ; LED18.3 71.87,90.36 v1(71.78,90.27) ; LED138.3 103.87,14.47 v1(103.87,14.47) ; 80.69,68.24 v1(79.96,68.97) ; 130.84,72.23 131.92,72.23 v1(132.03,72.12) ; LED122.3 132.4,56.86 v1(131.82,56.28) ; LED94.3 163.99,85.28 v1(163.47,84.76) ; v1(134.46,135.23) 135.07,135.83 135.07,135.86 ; v1(108.01,87.64) 108.02,87.65 108.02,88.7 ; v1(159.72,45.13) 160.25,44.6 LED117.3 ; v1(184.29,80.07) 184.82,80.59 LED2.3 ; v1(188.77,80.34) 189.4,80.34 LED1.3 ; 137.71,103.84 137.71,104.85 v1(137.7,104.86) ; LED137.3 103.89,6.64 v1(103.98,6.73) ; C63.2 v1(112.88,170.08) ; v1(112.74,150.21) 112.73,150.21 112.73,151.15 ; LED105.3 92.11,102.73 v1(91.88,102.73) ; 122.42,67.03 122.42,65.92 v1(122.4,65.9) ; v1(121.1,74.46) 121.1,74.45 121.81,74.45 ; 19.05,108.14 19.23,108.14 v1(19.72,107.65) ; 104.79,23.32 v1(104.79,22.36) ; 55.81,147.21 v1(56.58,146.44) ; v1(100.98,97.43) 101.02,97.39 LED49.3 ; LED45.3 121.8,71.26 v1(121.26,70.72) 121.63,70.35 LED124.3 ; LED128.3 121.76,106.9 v1(121.92,107.06) ; v1(136.37,57.6) 136.34,57.63 135.25,57.63 ; LED36.3 v1(184.25,77.34) ; v1(102.32,32.83) 101.69,33.45 LED57.3 ; LED112.3 43.6,85.71 v1(43.52,85.63) ; v1(140.52,74.8) 141.14,75.42 LED8.3 ; v1(53.89,86.54) 53.81,86.45 53.08,86.45 ; 50.86,152.05 v1(51.61,151.3) ; 169.3,91.84 v1(169.99,92.53) ; v1(122.59,102.12) 122.57,102.14 122.57,103.23 ; v1(148.17,48.28) 147.53,48.92 147.45,48.92
  Bottom w0.25: v1(109.42,92.95) 108.3,94.07 v1(106.82,94.07)
  vias: v1(125.21,128.77) v1(174.03,21.05) v1(188.85,35.82)
